# KiCad board NoU2-panelized.kicad_pcb (continued)
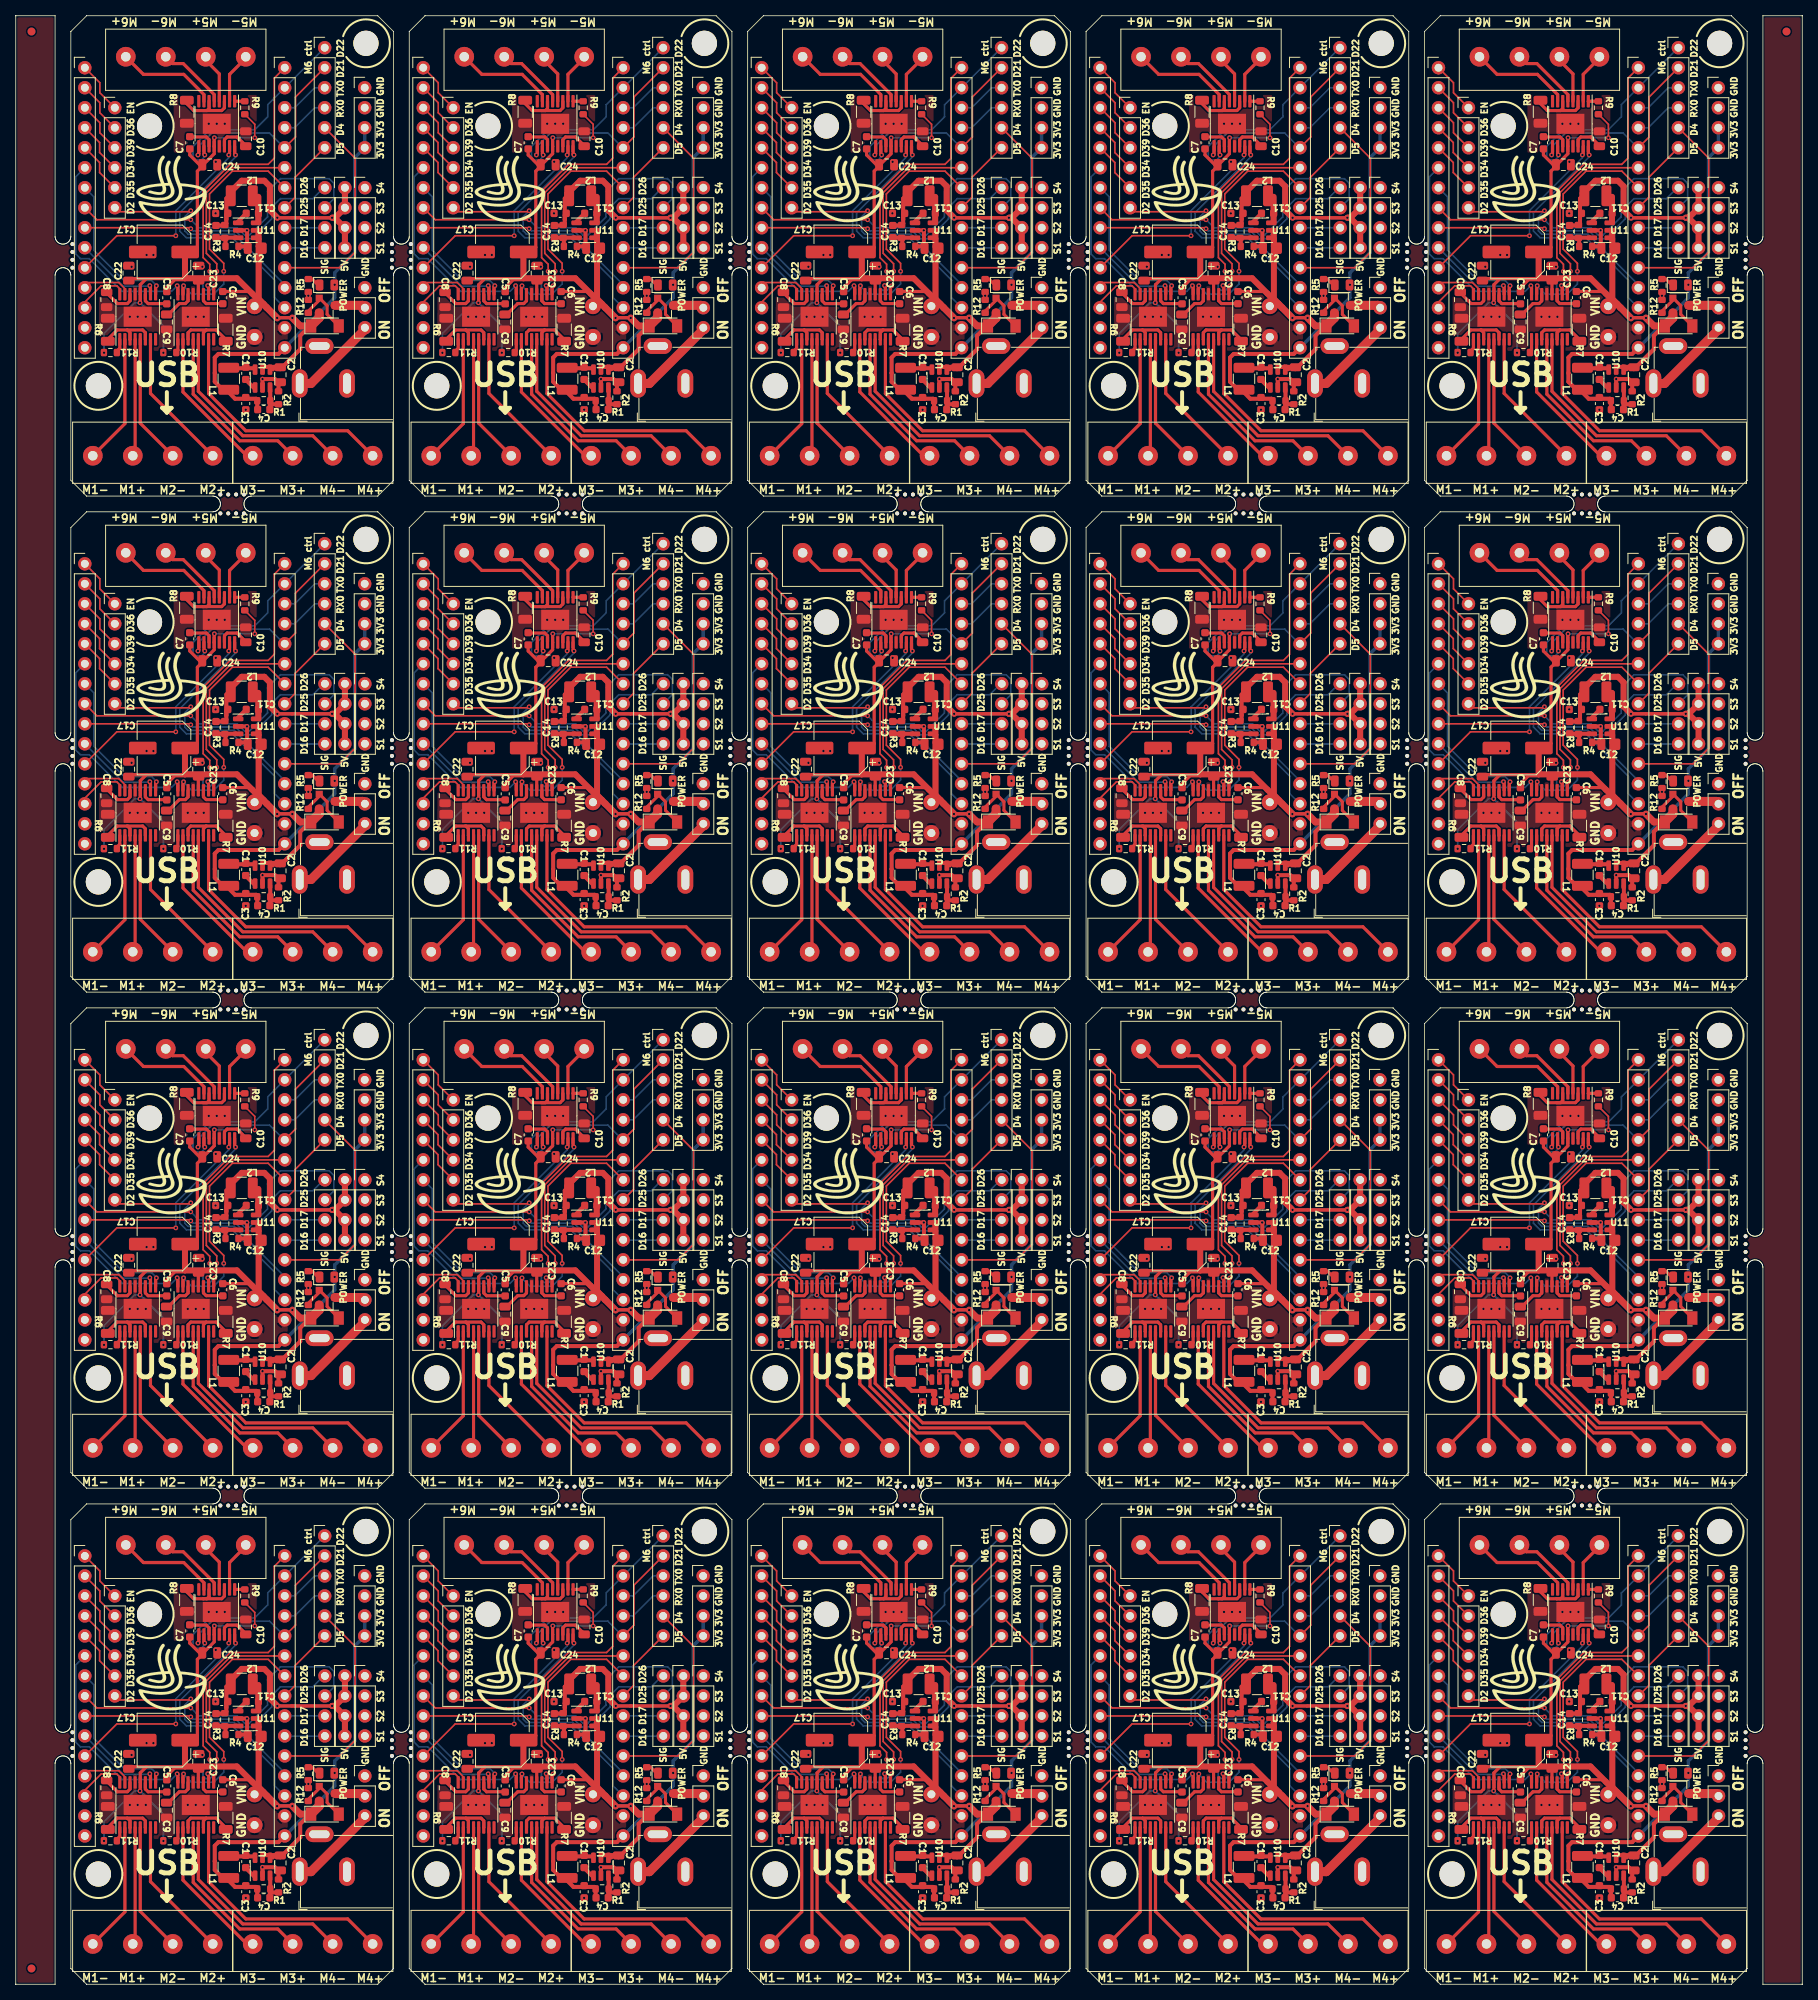
[diagram p0: board, top side]
## Routing (per net, layer and track width the routed paths; a pad name or vN(x,y) marks a point on that pad's centre or on a via; arc(x,y) is an arc through that point) (continued)
Board_0-/Sheet6057E9B8/D35: length 6.7
  Top w0.203: 12.59,228.16 10.66,230.09 10.66,231.36 J10#15.5
Board_0-/Sheet6057E9B8/D36: length 6.7
  Top w0.203: J10#15.2 10.68,238.95 10.68,237.68 12.59,235.78
Board_0-/Sheet6057E9B8/D39: length 6.7
  Top w0.203: 12.59,233.24 10.68,235.14 10.68,236.41 J10#15.3
Board_0-/Sheet6057E9B8/EN: length 7.3
  Top w0.203: 12.59,238.32 10.68,240.22 10.68,241.49 J10#15.1
  Top w0.399: 8.78,242.76 J10#15.1
Board_0-D2: length 28.7
  Top w0.203: v1(22.24,225.24) 22.11,225.11 13.1,225.11 J4#17.6
  Bottom w0.203: J11#7.12 34.18,215.84 27.77,222.25 21.9,222.25 21.48,222.67 21.48,224.47 v1(22.24,225.24)
Board_0-D4: length 27.2
  Top w0.203: J11#7.11 41.14,218 43.12,219.98 43.12,231.92 J1#4.5
Board_0-D5: length 9.7
  Top w0.203: J11#7.8 35.5,226.94 35.5,229.48 J1#4.6
Board_0-D25: length 41.8
  Top w0.203: J10#15.8 10.3,224.09 v1(22.24,224.09)
  Bottom w0.203: v1(22.24,224.09) 23.26,223.08 28.15,223.08 29.08,222.14 29.68,222.14 32,224.46 32,227.68 33.63,229.31 39.83,229.31 40.44,228.71 40.44,226.77 J2#20.2
Board_0-D26: length 34.6
  Top w0.203: J10#15.9 22.15,223.08 v1(22.24,222.95)
  Bottom w0.203: v1(22.24,222.95) 22.52,222.67 27.91,222.67 28.91,221.68 29.99,221.68 32.53,224.22 32.53,225.67 33.63,226.77 37.75,226.77 39.13,228.16 J2#20.1
Board_0-GND: length 10.3
  Top w0.508: 29.32,199.98 29.32,199.98 ; R4#13.2 29.31,220.71 29.4,220.8 29.4,222.72 v1(29.38,222.75) 28.06,222.75 ; 37.15,214.88 R5#4.1 R12#18.2 ; R2#20.2 33.39,203.24 C2#14.1 33.33,203.46 32.93,203.86 v1(31.36,203.86) 31.36,202.61
  vias: v1(14.49,211.77) v1(14.72,218.12) v1(15.5,211.77) v1(16.52,211.77) v1(16.63,219.62) v1(17.49,219.62) v1(21.86,211.77) v1(22.88,211.77) v1(23.71,218.12) v1(23.89,211.77) v1(24.53,236.28) v1(25.41,231.46) v1(25.39,224.9) v1(25.54,236.28) v1(26.56,236.28) v1(29.23,199.96) v1(37.18,214.44)
Board_0-M1A: length 6.9
  Top w0.203: U1#10.16 13.22,215.33 12.85,215.7 10.85,215.7 8.78,213.63 J10#15.13
Board_0-M1B: length 6.8
  Top w0.203: J10#15.12 8.78,216.12 13.1,216.12 13.87,215.34 U1#10.15
Board_0-M2A: length 11.3
  Top w0.399: 17.03,215.66 17.12,215.57 U1#10.10
  Bottom w0.203: J10#15.10 13.65,215.66 17.03,215.66
  vias: v1(17.03,215.72)
Board_0-M2B: length 19.4
  Top w0.399: U1#10.9 17.77,215.56 17.87,215.66
  Bottom w0.203: J10#15.7 9.93,227 9.93,220.22 13.78,216.37 17.26,216.37 17.87,215.76 v1(17.87,215.71) 17.87,215.66 17.87,215.72
Board_0-M3A: length 27.6
  Top w0.399: 20.51,215.66 20.6,215.57 U3#5.16
  Bottom w0.203: v1(20.51,215.72) 19.79,215 13.5,215 9.35,219.15 8.23,219.15 7.63,219.75 7.63,229.54 J10#15.6
Board_0-M3B: length 30.9
  Top w0.203: J11#7.7 32.07,230.26 27.52,230.26 24.62,227.36 24.62,220.36 26.43,218.55 v1(26.43,217.54) ; 21.25,215.58 21.33,215.66
  Top w0.399: U3#5.15 21.25,215.58
  Bottom w0.203: v1(26.43,217.54) 26.43,215.93 25.15,214.65 22.34,214.65 21.33,215.66
  vias: v1(21.33,215.71)
Board_0-M4A: length 25.2
  Top w0.203: J11#7.6 27.39,230.7 24.22,227.53 24.22,219.83 25.54,218.5 v1(25.54,217.54)
  Top w0.399: 24.4,215.66 24.5,215.56 U3#5.10
  Bottom w0.203: v1(25.54,217.54) 25.54,216.82 24.4,215.67 24.4,215.66
  vias: v1(24.4,215.74)
Board_0-M4B: length 38.7
  Top w0.203: v1(24.65,217.54) 24.65,218.44 23.81,219.28 23.81,227.7 27.24,231.13 32.07,231.13 32.86,231.92 32.86,242.08 J11#7.1
  Top w0.399: U3#5.9 25.15,215.55 25.26,215.66
  Bottom w0.203: v1(25.29,215.71) 24.71,215.13 24.11,215.13 23.79,215.44 23.79,216.12 24.65,216.98 v1(24.65,217.54)
Board_0-M5A: length 32.5
  Top w0.399: 27.93,232.37 v1(27.93,232.32) 27.82,232.43 U2#2.16
  Bottom w0.203: v1(27.93,232.32) 27.93,232.07 20.84,224.98 20.84,222.65 21.69,221.81 27.51,221.81 32.91,216.41 32.91,214.19 34.17,212.92 J11#7.13
Board_0-M5B: length 27.4
  Top w0.203: J10#15.11 12.84,222.06 v1(20.34,222.06)
  Top w0.399: 27.07,232.37 27.17,232.47 U2#2.15
  Bottom w0.203: 27.07,232.37 27.07,231.97 20.34,225.24 v1(20.34,222.06)
  vias: v1(27.07,232.32)
Board_0-M6A: length 27.3
  Top w0.203: 39.25,245.94 J1#4.1
  Top w0.399: 24.02,232.37 23.92,232.47 U2#2.10
  Bottom w0.203: v1(24.02,232.32) 24.02,232.12 23.59,231.69 22.85,231.69 22.52,232.02 22.52,233.39 24.65,235.52 30.37,235.52 32.02,237.17 32.02,238.7 J11#7.2 39.25,245.94
Board_0-M6B: length 26.9
  Top w0.203: J11#7.5 35.55,234.61 35.55,239.69 J1#4.2
  Top w0.399: U2#2.9 23.27,232.49 23.15,232.37
  Bottom w0.203: 23.15,232.37 23.27,232.49 23.27,233.46 24.92,235.11 32.24,235.11 34.11,233.24 J11#7.5
  vias: v1(23.15,232.32)
Board_0-Net-(C1-Pad1): length 3.3
  Top w0.508: 30.43,205.23 27.15,205.23
Board_0-Net-(C1-Pad2): length 1.7
  Top w0.508: 29.2,203.8 30.37,202.63 ; 29.33,203.81 29.33,203.78
Board_0-Net-(C4-Pad1): length 4.1
  Top w0.508: C4#2.1 32.29,201.06 ; 32.29,201.06 R1#19.2 32.34,202.59 ; 32.29,201.06 32.29,200.84 32.46,200.66 R2#20.1 ; 32.41,201.06 32.46,201.1
Board_0-Net-(C5-Pad2): length 3.7
  Top w0.399: U1#10.11 16.47,213.79 16.82,213.44 19.16,213.44 C5#16.2
Board_0-Net-(C6-Pad2): length 3.4
  Top w0.399: C6#9.2 26.28,213.45 24.19,213.45 23.85,213.79 U3#5.11
Board_0-Net-(C7-Pad2): length 3.5
  Top w0.399: C7#14.2 22.15,234.61 24.22,234.61 24.57,234.27 U2#2.11
Board_0-Net-(C8-Pad1): length 4.6
  Top w0.399: C8#7.1 11.55,214.81 12.91,213.45 14.18,213.45 14.52,213.79 U1#10.14
Board_0-Net-(C9-Pad1): length 4.3
  Top w0.399: C9.1 19.4,212.06 20.78,213.45 21.56,213.45 21.9,213.79 U3#5.14
Board_0-Net-(C10-Pad1): length 4.2
  Top w0.399: U2#2.14 26.52,234.27 26.86,234.61 28.12,234.61 29.23,233.51 29.23,233.43
Board_0-Net-(C11-Pad1): length 3.5
  Top w0.508: 30.7,226.99 30.65,227.04 ; 30.68,224.75 C11#2.1 30.7,225.04
  Top w0.762: 30.83,223.81 30.83,224.86 ; 30.83,225.06 30.83,227
Board_0-Net-(C11-Pad2): length 1.7
  Top w0.508: C11#2.2 28.08,223.7 28.06,223.7
Board_0-Net-(C14-Pad1): length 3.7
  Top w0.508: 28.06,221.8 28.04,221.82 C14#19.1 ; R3#15.2 26.65,221.69 R4#13.1
Board_0-Net-(D1-Pad1): length 1.6
  Top w0.381: D1#7.1 38.42,215.81 37.67,216.56 37.35,216.56
Board_0-Net-(D2-Pad2): length 7.2
  Top w0.381: D2#15.2 39.56,212.08 39.56,213.17 Q1#2.1 38.56,213.87 37.2,212.51 37.2,212.27
  Top w0.508: Q1#2.1 38.43,214.17
Board_0-Net-(J6-Pad1): length 16.5
  Top w0.399: U1#10.2 13.87,198.2 J6#8.1
Board_0-Net-(J6-Pad2): length 14.9
  Top w0.399: U1#10.4 15.17,194.42 J6#8.2
Board_0-Net-(J6-Pad3): length 16.5
  Top w0.399: J6#8.3 15.82,198.25 U1#10.5
Board_0-Net-(J6-Pad4): length 18.1
  Top w0.399: U1#10.7 17.12,202.03 J6#8.4
Board_0-Net-(J7-Pad1): length 18.9
  Top w0.399: U3#5.2 21.25,202.22 29.35,194.12 J7#9.1
Board_0-Net-(J7-Pad2): length 22.9
  Top w0.399: U3#5.4 22.55,201.94 28.47,196.02 33.29,196.02 J7#9.2
Board_0-Net-(J7-Pad3): length 27.1
  Top w0.399: U3#5.5 23.2,202.3 28.84,196.66 37.73,196.66 J7#9.3
Board_0-Net-(J7-Pad4): length 31
  Top w0.399: J7#9.4 42.18,197.3 29.23,197.3 24.5,202.02 U3#5.7
Board_0-Net-(J8-Pad1): length 6.5
  Top w0.399: J8#6.1 29.23,244.62 27.17,242.56 U2#2.2
Board_0-Net-(J8-Pad2): length 6.4
  Top w0.399: J8#6.2 24.15,244.34 25.87,242.61 U2#2.4
Board_0-Net-(J8-Pad3): length 9
  Top w0.399: U2#2.5 25.22,239.99 21.28,243.93 19.93,243.93 J8#6.3
Board_0-Net-(J8-Pad4): length 12.8
  Top w0.399: 13.98,244.79 16.22,242.56 21.35,242.56 23.92,239.99 U2#2.7
Board_0-Net-(J9-Pad1): length 11.3
  Top w1.143: 44.34,210.38 44.34,210.12 37.52,203.3 J9#16.1
Board_0-Net-(Q1-Pad3): length 3.9
  Top w1.143: U8#2.2 44.06,213.22 Q1#2.3
Board_0-Net-(R6-Pad2): length 7.8
  Top w0.399: R6#11.2 11.7,208.91 12.89,210.1 14.18,210.1 ; 14.52,208.91 U1#10.3 14.52,209.75 14.18,210.1 ; 14.18,210.1 16.13,210.1 16.47,209.75 U1#10.6 16.47,208.91
Board_0-Net-(R7-Pad2): length 7.8
  Top w0.399: 24.19,210.1 25.47,210.1 26.69,208.89 R7#2.2 ; 24.19,210.1 22.24,210.1 21.9,209.75 U3#5.3 21.9,208.91 ; 24.19,210.1 23.85,209.75 U3#5.6 23.84,208.9
Board_0-Net-(R8-Pad2): length 8.5
  Top w0.399: U2#2.3 26.52,238.3 26.17,237.96 23.79,237.96 ; 23.79,237.96 24.3,237.96 24.57,238.23 U2#2.6 ; 23.79,237.96 22.61,237.96 21.73,238.84 21.73,239.4
Board_0-Net-(R9-Pad1): length 1.3
  Top w0.399: U2#2.1 27.82,239.14 R9#3.1
Board_0-Net-(R10-Pad1): length 1.7
  Top w0.399: U3#5.1 20.6,207.53 20.4,207.33
Board_0-Net-(R11-Pad1): length 1.8
  Top w0.399: 12.78,207.33 13.22,207.77 U1#10.1
Board_0-RX0: length 6.1
  Bottom w0.203: J11#7.4 35.45,235.78 37.99,238.32 J1#4.4
Board_0-TX0: length 6.1
  Bottom w0.203: J11#7.3 35.45,238.32 37.99,240.86 J1#4.3
Board_0-VIN: length 111
  Top w0.203: v1(30.37,234.51) 30.37,236.22 R9#3.2
  Top w0.25: J14#3.1 31.71,213.12 31.9,212.93
  Top w0.399: 23.7,231.08 23.36,231.08 22.11,232.32 C7#14.1 ; 23.7,231.08 23.7,230.89 23.08,230.26 23.08,220.59 22.49,220 C17#18.1 ; 23.7,231.08 23.82,231.08 25.22,232.48 U2#2.12 25.21,233.43 25.21,234.51 ; 20.16,216.42 19.19,215.46 C5#16.1 ; 29.01,237.4 R9#3.2 ; 21.54,216.62 16.6,216.62 15.82,215.84 U1#10.12 15.82,213.56 15.81,213.55 ; C6#9.1 29.78,214.98 30.04,214.72 ; 23.21,216.36 23.2,216.35 U3#5.12 ; C22#16.1 14.6,216.6 ; 14.65,216.62 16.62,216.62 ; 21.49,216.47 20.31,216.47
  Top w0.432: v1(33.21,211.62) 33.25,211.65 35.11,211.65 v1(35.14,211.62)
  Top w0.508: 33.6,205.11 33.77,205.28 33.78,205.28 36.15,207.65 36.15,209.37 37.38,210.6 D2#15.1 ; 31.65,205.4 32.27,205.4 ; 30.86,219.72 30.86,219.95 C12#6.2 ; 30.86,221.61 30.68,221.8 ; 32.53,205.27 32.69,205.11 ; 33.52,205.41 32.61,205.41
  Top w0.762: C17#18.1 21.5,219.97 21.5,216.66 ; 30.85,221.7 30.85,222.65 ; 31.46,213.37 30.86,213.97 30.86,221.61 ; 21.57,216.66 28.1,216.66 30.66,214.1 30.74,214.1
  Top w0.864: 30.74,214.1 v1(33.21,211.62) ; v1(35.14,211.62) 36.16,210.6 D2#15.1
  Top w1.143: D2#15.1 38.56,211.63 Q1#2.2
  Bottom w0.203: 25.21,234.51 v1(30.37,234.51) ; v1(11.22,207.2) 11.22,209.64 15.13,213.55 v1(15.79,213.55)
  Bottom w0.25: v1(15.79,213.55) 18.76,210.58 v1(18.76,207.2)
  Bottom w0.432: v1(33.21,211.62) 33.25,211.65 35.11,211.65 v1(35.14,211.62)
  vias: v1(25.24,234.51)
Board_1-3V3: length 53
  Top w0.508: J11#14.15 76.39,207.05 68.75,207.05 68.29,206.59 68.29,204.63 68.29,204.63 68.29,203.52 69.56,202.25 70.2,202.25 ; 70.07,202.37 69.94,202.5 69.94,202.29 70.87,201.36 73.56,201.36 73.81,201.1 ; R1#11.1 73.69,200.04 ; 73.81,200.04 73.86,199.99
  Bottom w0.432: J3#20.3 J3#20.4 86.09,231.99 86.09,219.92 83.53,217.36 v1(83.53,215.84) 83.53,214.19 J11#14.15
Board_1-5V: length 40.3
  Top w0.432: v1(76.24,224.35) v1(83.2,224.35)
  Top w0.508: 69.76,224.14 69.76,224.69 69.98,224.9 69.98,225.1 ; 69.76,224.14 69.76,226.79 70.11,227.14 ; 69.76,224.14 69.76,223.63 R3#12.1 69.5,223.37 C14#6.2
  Top w0.762: 84.82,220.51 84.82,223.05 83.53,224.35 v1(83.2,224.35) 83.58,224.35 84.82,225.59 J12#6.1 ; 70.11,227.14 70.11,227.43 71.72,229.05 72.57,229.05 72.58,229.05 74.59,229.05 75.3,228.33 75.3,225.29 v1(76.24,224.35)
  Bottom w0.432: v1(83.2,224.35) v1(76.24,224.35)
Board_1-/Sheet6057E9B8/D16: length 5.1
  Top w0.203: 77.21,220.51 J11#14.10
  Bottom w0.203: 82.28,220.51 77.21,220.51
Board_1-/Sheet6057E9B8/D17: length 5.1
  Top w0.203: 82.25,223.08 82.28,223.05
  Bottom w0.203: J11#14.9 82.25,223.08
Board_1-/Sheet6057E9B8/D34: length 6.7
  Top w0.203: 55.59,230.7 53.66,232.63 53.66,233.9 J10#18.4
Board_1-/Sheet6057E9B8/D35: length 6.7
  Top w0.203: J10#18.5 53.66,231.36 53.66,230.09 55.59,228.16
Board_1-/Sheet6057E9B8/D36: length 6.7
  Top w0.203: 55.59,235.78 53.68,237.68 53.68,238.95 J10#18.2
Board_1-/Sheet6057E9B8/D39: length 6.7
  Top w0.203: 55.59,233.24 53.68,235.14 53.68,236.41 J10#18.3
Board_1-/Sheet6057E9B8/EN: length 7.3
  Top w0.203: J10#18.1 53.68,241.49 53.68,240.22 55.59,238.32
  Top w0.399: 51.78,242.76 J10#18.1
Board_1-D2: length 28.7
  Top w0.203: J4#5.6 56.1,225.11 65.11,225.11 v1(65.24,225.24)
  Bottom w0.203: J11#14.12 77.18,215.84 70.77,222.25 64.9,222.25 64.48,222.67 64.48,224.47 v1(65.24,225.24)
Board_1-D4: length 27.2
  Top w0.203: J11#14.11 84.14,218 86.12,219.98 86.12,231.92 J1#16.5
Board_1-D5: length 9.7
  Top w0.203: J1#16.6 78.5,229.48 78.5,226.94 J11#14.8
Board_1-D25: length 41.8
  Top w0.203: v1(65.24,224.09) 53.3,224.09 J10#18.8
  Bottom w0.203: v1(65.24,224.09) 66.26,223.08 71.15,223.08 72.08,222.14 72.68,222.14 75,224.46 75,227.68 76.63,229.31 82.83,229.31 83.44,228.71 83.44,226.77 J2#7.2
Board_1-D26: length 34.6
  Top w0.203: J10#18.9 65.15,223.08 v1(65.24,222.95)
  Bottom w0.203: J2#7.1 82.13,228.16 80.75,226.77 76.63,226.77 75.53,225.67 75.53,224.22 72.99,221.68 71.91,221.68 70.91,222.67 65.52,222.67 v1(65.24,222.95)
Board_1-GND: length 10.3
  Top w0.508: 80.15,214.88 R5#5.1 R12#4.2 ; 71.06,222.75 v1(72.38,222.75) 72.4,222.72 72.4,220.8 72.31,220.71 R4#3.2 ; 72.32,199.98 72.32,199.98 ; 74.36,202.61 v1(74.36,203.86) 75.93,203.86 76.33,203.46 C2#6.1 76.39,203.24 R2#19.2
  vias: v1(57.49,211.77) v1(57.72,218.12) v1(58.5,211.77) v1(59.53,211.77) v1(59.63,219.62) v1(60.49,219.62) v1(64.86,211.77) v1(65.88,211.77) v1(66.71,218.12) v1(66.89,211.77) v1(67.53,236.28) v1(68.42,231.46) v1(68.39,224.9) v1(68.54,236.28) v1(69.56,236.28) v1(72.22,199.96) v1(80.18,214.44)
Board_1-M1A: length 6.9
  Top w0.203: U1#3.16 56.22,215.33 55.85,215.7 53.85,215.7 51.78,213.63 J10#18.13
Board_1-M1B: length 6.8
  Top w0.203: U1#3.15 56.87,215.34 56.1,216.12 51.78,216.12 J10#18.12
Board_1-M2A: length 11.3
  Top w0.399: 60.03,215.66 60.12,215.57 U1#3.10
  Bottom w0.203: J10#18.10 56.65,215.66 60.03,215.66
  vias: v1(60.03,215.72)
Board_1-M2B: length 19.4
  Top w0.399: 60.87,215.66 60.77,215.56 U1#3.9
  Bottom w0.203: J10#18.7 52.93,227 52.93,220.22 56.78,216.37 60.26,216.37 60.87,215.76 v1(60.87,215.71) 60.87,215.66 60.87,215.72
Board_1-M3A: length 27.6
  Top w0.399: U3#14.16 63.6,215.57 63.51,215.66
  Bottom w0.203: v1(63.51,215.72) 62.79,215 56.5,215 52.35,219.15 51.23,219.15 50.63,219.75 50.63,229.54 J10#18.6
Board_1-M3B: length 30.9
  Top w0.203: J11#14.7 75.07,230.26 70.52,230.26 67.62,227.36 67.62,220.36 69.43,218.55 v1(69.43,217.54) ; 64.25,215.58 64.33,215.66
  Top w0.399: U3#14.15 64.25,215.58
  Bottom w0.203: 64.33,215.66 65.34,214.65 68.15,214.65 69.43,215.93 v1(69.43,217.54)
  vias: v1(64.33,215.71)
Board_1-M4A: length 25.2
  Top w0.203: J11#14.6 70.39,230.7 67.22,227.53 67.22,219.83 68.54,218.5 v1(68.54,217.54)
  Top w0.399: U3#14.10 67.5,215.56 67.4,215.66
  Bottom w0.203: 67.4,215.66 67.4,215.67 68.54,216.82 v1(68.54,217.54)
  vias: v1(67.4,215.74)
Board_1-M4B: length 38.7
  Top w0.203: J11#14.1 75.86,242.08 75.86,231.92 75.07,231.13 70.24,231.13 66.81,227.7 66.81,219.28 67.65,218.44 v1(67.65,217.54)
  Top w0.399: U3#14.9 68.15,215.55 68.26,215.66
  Bottom w0.203: v1(68.29,215.71) 67.71,215.13 67.11,215.13 66.79,215.44 66.79,216.12 67.65,216.98 v1(67.65,217.54)
Board_1-M5A: length 32.5
  Top w0.399: U2#19.16 70.82,232.43 v1(70.93,232.32) 70.93,232.37
  Bottom w0.203: J11#14.13 77.17,212.92 75.91,214.19 75.91,216.41 70.51,221.81 64.69,221.81 63.84,222.65 63.84,224.98 70.93,232.07 v1(70.93,232.32)
Board_1-M5B: length 27.4
  Top w0.203: v1(63.33,222.06) 55.84,222.06 J10#18.11
  Top w0.399: 70.07,232.37 70.17,232.47 U2#19.15
  Bottom w0.203: 70.07,232.37 70.07,231.97 63.33,225.24 v1(63.33,222.06)
  vias: v1(70.07,232.32)
Board_1-M6A: length 27.3
  Top w0.203: 82.25,245.94 J1#16.1
  Top w0.399: 67.02,232.37 66.92,232.47 U2#19.10
  Bottom w0.203: 82.25,245.94 J11#14.2 75.02,238.7 75.02,237.17 73.37,235.52 67.65,235.52 65.52,233.39 65.52,232.02 65.85,231.69 66.59,231.69 67.02,232.12 v1(67.02,232.32)
Board_1-M6B: length 26.9
  Top w0.203: J11#14.5 78.55,234.61 78.55,239.69 J1#16.2
  Top w0.399: 66.15,232.37 66.27,232.49 U2#19.9
  Bottom w0.203: 66.15,232.37 66.27,232.49 66.27,233.46 67.92,235.11 75.24,235.11 77.11,233.24 J11#14.5
  vias: v1(66.15,232.32)
Board_1-Net-(C1-Pad1): length 3.3
  Top w0.508: 73.43,205.23 70.15,205.23
Board_1-Net-(C1-Pad2): length 1.7
  Top w0.508: 72.2,203.8 73.37,202.63 ; 72.33,203.81 72.33,203.78
Board_1-Net-(C4-Pad1): length 4.1
  Top w0.508: 75.29,201.06 75.29,200.84 75.46,200.66 R2#19.1 ; 75.29,201.06 C4#13.1 ; 75.29,201.06 R1#11.2 75.34,202.59 ; 75.41,201.06 75.46,201.1
Board_1-Net-(C5-Pad2): length 3.7
  Top w0.399: U1#3.11 59.47,213.79 59.82,213.44 62.16,213.44 C5#11.2
Board_1-Net-(C6-Pad2): length 3.4
  Top w0.399: C6#7.2 69.28,213.45 67.19,213.45 66.85,213.79 U3#14.11
Board_1-Net-(C7-Pad2): length 3.5
  Top w0.399: U2#19.11 67.57,234.27 67.22,234.61 65.15,234.61 C7#13.2
Board_1-Net-(C8-Pad1): length 4.6
  Top w0.399: U1#3.14 57.52,213.79 57.18,213.45 55.91,213.45 54.55,214.81 C8#18.1
Board_1-Net-(C9-Pad1): length 4.3
  Top w0.399: C9#10.1 62.4,212.06 63.78,213.45 64.56,213.45 64.9,213.79 U3#14.14
Board_1-Net-(C10-Pad1): length 4.2
  Top w0.399: 72.22,233.43 72.22,233.51 71.12,234.61 69.86,234.61 69.52,234.27 U2#19.14
Board_1-Net-(C11-Pad1): length 3.5
  Top w0.508: 73.7,226.99 73.65,227.04 ; 73.7,225.04 C11#19.1 73.68,224.75
  Top w0.762: 73.83,223.81 73.83,224.86 ; 73.83,225.06 73.83,227
Board_1-Net-(C11-Pad2): length 1.7
  Top w0.508: 71.06,223.7 71.08,223.7 C11#19.2
Board_1-Net-(C14-Pad1): length 3.7
  Top w0.508: R4#3.1 69.65,221.69 R3#12.2 ; C14#6.1 71.04,221.82 71.06,221.8
Board_1-Net-(D1-Pad1): length 1.6
  Top w0.381: 80.35,216.56 80.67,216.56 81.42,215.81 D1#14.1
Board_1-Net-(D2-Pad2): length 7.2
  Top w0.381: D2#3.2 82.56,212.08 82.56,213.17 Q1#10.1 81.56,213.87 80.2,212.51 80.2,212.27
  Top w0.508: Q1#10.1 81.43,214.17
Board_1-Net-(J6-Pad1): length 16.5
  Top w0.399: J6.1 56.87,198.2 U1#3.2
Board_1-Net-(J6-Pad2): length 14.9
  Top w0.399: J6.2 58.17,194.42 U1#3.4
Board_1-Net-(J6-Pad3): length 16.5
  Top w0.399: U1#3.5 58.82,198.25 J6.3
Board_1-Net-(J6-Pad4): length 18.1
  Top w0.399: U1#3.7 60.12,202.03 J6.4
Board_1-Net-(J7-Pad1): length 18.9
  Top w0.399: J7#20.1 72.35,194.12 64.25,202.22 U3#14.2
Board_1-Net-(J7-Pad2): length 22.9
  Top w0.399: J7#20.2 76.29,196.02 71.47,196.02 65.55,201.94 U3#14.4
Board_1-Net-(J7-Pad3): length 27.1
  Top w0.399: J7#20.3 80.73,196.66 71.84,196.66 66.2,202.3 U3#14.5
Board_1-Net-(J7-Pad4): length 31
  Top w0.399: J7#20.4 85.18,197.3 72.22,197.3 67.5,202.02 U3#14.7
Board_1-Net-(J8-Pad1): length 6.5
  Top w0.399: U2#19.2 70.17,242.56 72.22,244.62 J8#10.1
Board_1-Net-(J8-Pad2): length 6.4
  Top w0.399: J8#10.2 67.14,244.34 68.87,242.61 U2#19.4
Board_1-Net-(J8-Pad3): length 9
  Top w0.399: U2#19.5 68.22,239.99 64.28,243.93 62.93,243.93 J8#10.3
Board_1-Net-(J8-Pad4): length 12.8
  Top w0.399: U2#19.7 66.92,239.99 64.35,242.56 59.22,242.56 56.98,244.79
Board_1-Net-(J9-Pad1): length 11.3
  Top w1.143: J9#15.1 80.52,203.3 87.34,210.12 87.34,210.38
Board_1-Net-(Q1-Pad3): length 3.9
  Top w1.143: Q1#10.3 87.06,213.22 U8#18.2
Board_1-Net-(R6-Pad2): length 7.8
  Top w0.399: 57.18,210.1 55.89,210.1 54.7,208.91 R6#4.2 ; 57.18,210.1 59.13,210.1 59.47,209.75 U1#3.6 59.47,208.91 ; 57.18,210.1 57.52,209.75 U1#3.3 57.52,208.91
Board_1-Net-(R7-Pad2): length 7.8
  Top w0.399: 67.19,210.1 65.24,210.1 64.9,209.75 U3#14.3 64.9,208.91 ; 67.19,210.1 66.85,209.75 U3#14.6 66.84,208.9 ; 67.19,210.1 68.47,210.1 69.69,208.89 R7#19.2
Board_1-Net-(R8-Pad2): length 8.5
  Top w0.399: U2#19.3 69.52,238.3 69.17,237.96 66.79,237.96 ; U2#19.6 67.57,238.23 67.3,237.96 66.79,237.96 ; 64.73,239.4 64.73,238.84 65.61,237.96 66.79,237.96
Board_1-Net-(R9-Pad1): length 1.3
  Top w0.399: R9#9.1 70.82,239.14 U2#19.1
Board_1-Net-(R10-Pad1): length 1.7
  Top w0.399: U3#14.1 63.6,207.53 63.4,207.33
Board_1-Net-(R11-Pad1): length 1.8
  Top w0.399: 55.78,207.33 56.22,207.77 U1#3.1
Board_1-RX0: length 6.1
  Bottom w0.203: J1#16.4 80.99,238.32 78.45,235.78 J11#14.4
Board_1-TX0: length 6.1
  Bottom w0.203: J11#14.3 78.45,238.32 80.99,240.86 J1#16.3
Board_1-VIN: length 111
  Top w0.203: v1(73.37,234.51) 73.37,236.22 R9#9.2
  Top w0.25: 74.9,212.93 74.71,213.12 J14.1
  Top w0.399: C24#19.1 66.36,231.08 65.11,232.32 C7#13.1 ; C24#19.1 66.7,230.89 66.08,230.26 66.08,220.59 65.49,220 C17#5.1 ; C24#19.1 66.82,231.08 68.22,232.48 U2#19.12 68.21,233.43 68.21,234.51 ; 72.01,237.4 R9#9.2 ; C6#7.1 72.78,214.98 73.04,214.72 ; 64.54,216.62 59.6,216.62 58.82,215.84 U1#3.12 58.82,213.56 58.81,213.55 ; C5#11.1 62.19,215.46 63.16,216.42 ; 64.49,216.47 63.31,216.47 ; U3#14.12 66.2,216.35 66.21,216.36 ; C22#19.1 57.6,216.6 ; 57.65,216.62 59.62,216.62
  Top w0.432: v1(78.14,211.62) 78.11,211.65 76.25,211.65 v1(76.21,211.62)
  Top w0.508: 74.65,205.4 75.27,205.4 ; 76.52,205.41 75.61,205.41 ; D2#3.1 80.38,210.6 79.15,209.37 79.15,207.65 76.78,205.28 76.77,205.28 76.6,205.11 ; C12#17.2 73.86,219.95 73.86,219.72 ; 75.53,205.27 75.69,205.11 ; 73.86,221.61 73.68,221.8
  Top w0.762: 73.74,214.1 73.66,214.1 71.1,216.66 64.57,216.66 ; 73.86,221.61 73.86,213.97 74.46,213.37 ; 64.5,216.66 64.5,219.97 C17#5.1 ; 73.85,221.7 73.85,222.65
  Top w0.864: D2#3.1 79.16,210.6 v1(78.14,211.62) ; 73.74,214.1 v1(76.21,211.62)
  Top w1.143: D2#3.1 81.56,211.63 Q1#10.2
  Bottom w0.203: v1(58.79,213.55) 58.13,213.55 54.22,209.64 v1(54.22,207.2) ; 68.21,234.51 v1(73.37,234.51)
  Bottom w0.25: v1(61.76,207.2) 61.76,210.58 v1(58.79,213.55)
  Bottom w0.432: v1(78.14,211.62) 78.11,211.65 76.25,211.65 v1(76.21,211.62)
  vias: v1(68.24,234.51)
Board_2-3V3: length 53
  Top w0.508: 113.07,202.37 112.94,202.5 112.94,202.29 113.87,201.36 116.56,201.36 116.81,201.1 ; 113.2,202.25 112.56,202.25 111.29,203.52 111.29,204.63 111.29,204.63 111.29,206.59 111.75,207.05 119.39,207.05 J11#12.15 ; 116.81,200.04 116.86,199.99 ; R1#6.1 116.69,200.04
  Bottom w0.432: J11#12.15 126.53,214.19 v1(126.53,215.84) 126.53,217.36 129.09,219.92 129.09,231.99 J3#9.4 J3#9.3
Board_2-5V: length 40.3
  Top w0.432: v1(119.24,224.35) v1(126.2,224.35)
  Top w0.508: 112.76,224.14 112.76,223.63 R3#14.1 112.5,223.37 C14.2 ; 112.76,224.14 112.76,224.69 112.98,224.9 112.98,225.1 ; 112.76,224.14 112.76,226.79 113.11,227.14
  Top w0.762: 127.82,220.51 127.82,223.05 126.53,224.35 v1(126.2,224.35) 126.58,224.35 127.82,225.59 J12#18.1 ; v1(119.24,224.35) 118.3,225.29 118.3,228.33 117.59,229.05 115.58,229.05 115.57,229.05 114.72,229.05 113.11,227.43 113.11,227.14
  Bottom w0.432: v1(126.2,224.35) v1(119.24,224.35)
Board_2-/Sheet6057E9B8/D16: length 5.1
  Top w0.203: 120.21,220.51 J11#12.10
  Bottom w0.203: 125.28,220.51 120.21,220.51
Board_2-/Sheet6057E9B8/D17: length 5.1
  Top w0.203: 125.25,223.08 125.28,223.05
  Bottom w0.203: J11#12.9 125.25,223.08
Board_2-/Sheet6057E9B8/D34: length 6.7
  Top w0.203: 98.59,230.7 96.66,232.63 96.66,233.9 J10#11.4
Board_2-/Sheet6057E9B8/D35: length 6.7
  Top w0.203: J10#11.5 96.66,231.36 96.66,230.09 98.59,228.16
Board_2-/Sheet6057E9B8/D36: length 6.7
  Top w0.203: J10#11.2 96.68,238.95 96.68,237.68 98.59,235.78
Board_2-/Sheet6057E9B8/D39: length 6.7
  Top w0.203: J10#11.3 96.68,236.41 96.68,235.14 98.59,233.24
Board_2-/Sheet6057E9B8/EN: length 7.3
  Top w0.203: J10#11.1 96.68,241.49 96.68,240.22 98.59,238.32
  Top w0.399: 94.78,242.76 J10#11.1
Board_2-D2: length 28.7
  Top w0.203: J4#15.6 99.1,225.11 108.11,225.11 v1(108.24,225.24)
  Bottom w0.203: v1(108.24,225.24) 107.48,224.47 107.48,222.67 107.9,222.25 113.77,222.25 120.18,215.84 J11#12.12
Board_2-D4: length 27.2
  Top w0.203: J1#5.5 129.12,231.92 129.12,219.98 127.14,218 J11#12.11
Board_2-D5: length 9.7
  Top w0.203: J1#5.6 121.5,229.48 121.5,226.94 J11#12.8
Board_2-D25: length 41.8
  Top w0.203: J10#11.8 96.3,224.09 v1(108.24,224.09)
  Bottom w0.203: v1(108.24,224.09) 109.26,223.08 114.15,223.08 115.08,222.14 115.68,222.14 118,224.46 118,227.68 119.63,229.31 125.83,229.31 126.44,228.71 126.44,226.77 J2#13.2
Board_2-D26: length 34.6
  Top w0.203: v1(108.24,222.95) 108.15,223.08 J10#11.9
  Bottom w0.203: J2#13.1 125.13,228.16 123.75,226.77 119.63,226.77 118.53,225.67 118.53,224.22 115.99,221.68 114.91,221.68 113.91,222.67 108.52,222.67 v1(108.24,222.95)
Board_2-GND: length 10.3
  Top w0.508: 117.36,202.61 v1(117.36,203.86) 118.93,203.86 119.33,203.46 C2#19.1 119.39,203.24 R2#17.2 ; R12#8.2 R5#7.1 123.15,214.88 ; 115.32,199.98 115.32,199.98 ; R4#5.2 115.31,220.71 115.4,220.8 115.4,222.72 v1(115.38,222.75) 114.06,222.75
  vias: v1(100.49,211.77) v1(100.72,218.12) v1(101.5,211.77) v1(102.53,211.77) v1(102.63,219.62) v1(103.49,219.62) v1(107.86,211.77) v1(108.88,211.77) v1(109.71,218.12) v1(109.89,211.77) v1(110.53,236.28) v1(111.42,231.46) v1(111.39,224.9) v1(111.54,236.28) v1(112.56,236.28) v1(115.22,199.96) v1(123.18,214.44)
Board_2-M1A: length 6.9
  Top w0.203: U1#7.16 99.22,215.33 98.85,215.7 96.85,215.7 94.78,213.63 J10#11.13
Board_2-M1B: length 6.8
  Top w0.203: J10#11.12 94.78,216.12 99.1,216.12 99.87,215.34 U1#7.15
Board_2-M2A: length 11.3
  Top w0.399: U1#7.10 103.12,215.57 103.03,215.66
  Bottom w0.203: J10#11.10 99.65,215.66 103.03,215.66
  vias: v1(103.03,215.72)
Board_2-M2B: length 19.4
  Top w0.399: U1#7.9 103.77,215.56 103.87,215.66
  Bottom w0.203: 103.87,215.72 103.87,215.66 v1(103.87,215.71) 103.87,215.76 103.26,216.37 99.78,216.37 95.93,220.22 95.93,227 J10#11.7
Board_2-M3A: length 27.6
  Top w0.399: 106.51,215.66 106.6,215.57 U3#12.16
  Bottom w0.203: v1(106.51,215.72) 105.79,215 99.5,215 95.35,219.15 94.23,219.15 93.63,219.75 93.63,229.54 J10#11.6